# KiCad board Mynd_Main.kicad_pcb
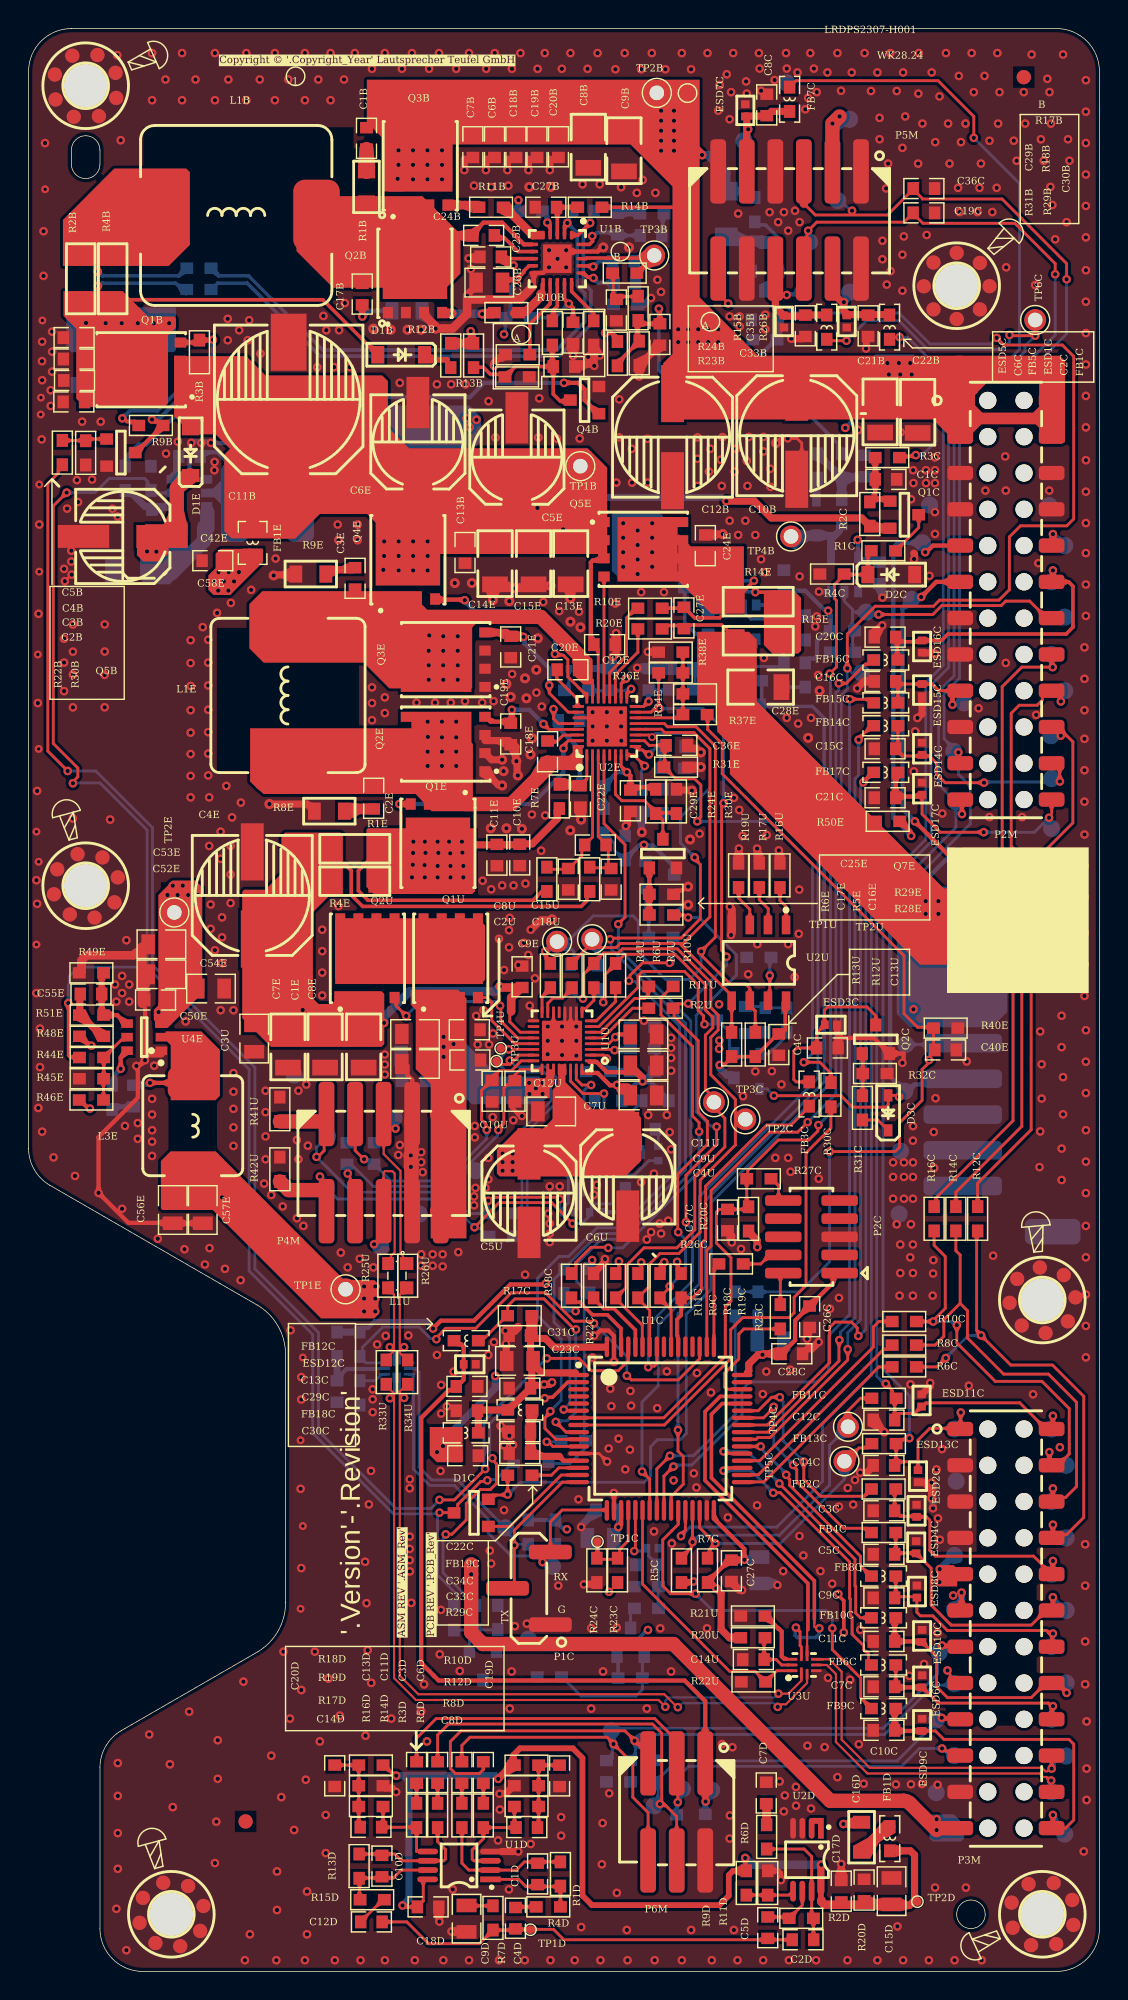
[diagram p0: board, top side]
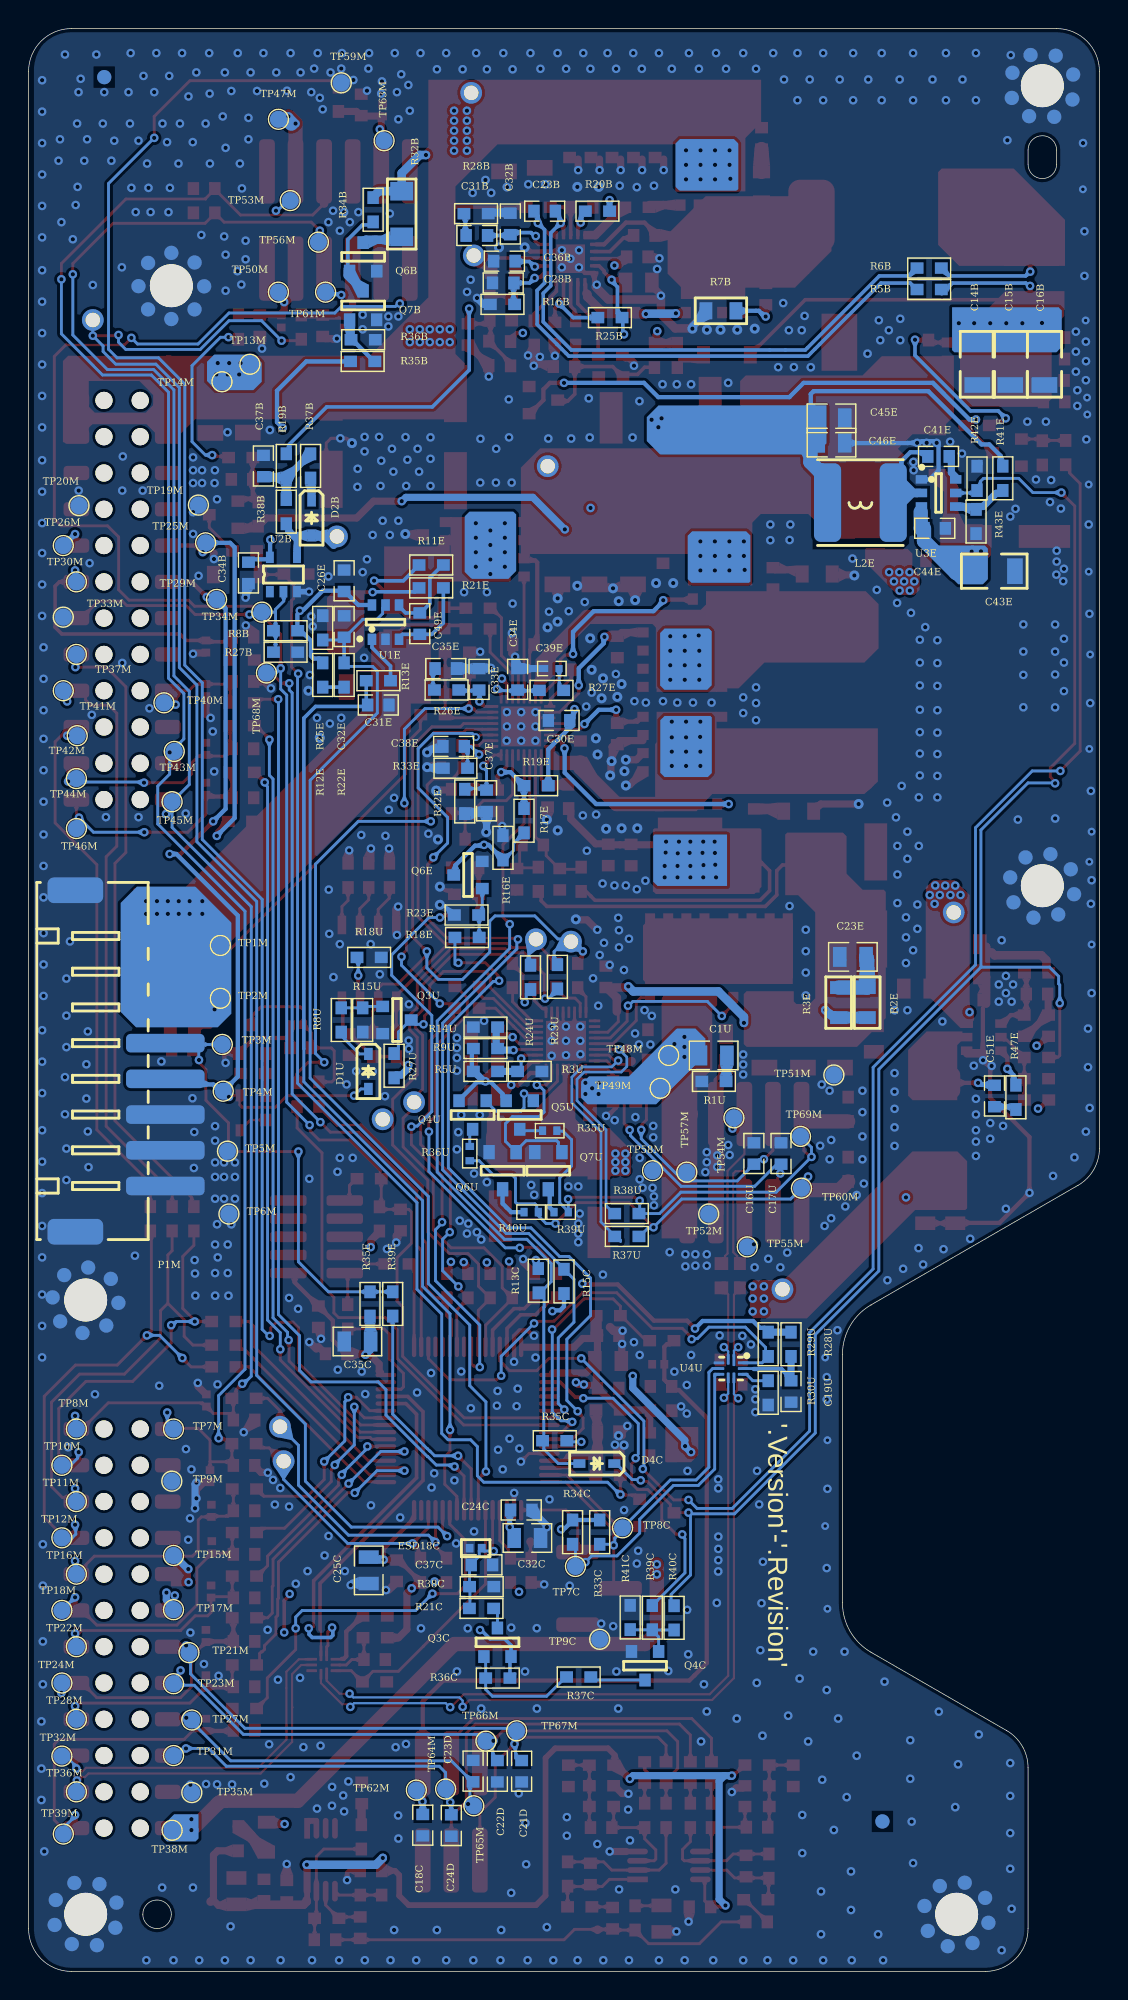
[diagram p1: board, bottom side, seen from below]

Outline 75 x 136 mm; copper layers: Component Side, Mid Layer 1 2 (plane), Mid Layer 2, Solder Side. Coordinates in mm from the lower left corner of the outline.
Outline path: 0,133 arc(0.88,135.12) 3,136 72,136 arc(74.12,135.12) 75,133 75,3 arc(74.12,0.88) 72,0 8,0 arc(5.88,0.88) 5,3 5,14.26 arc(5.4,15.76) 6.5,16.86 16,22.35 arc(17.46,23.81) 18,25.81 18,43.19 arc(17.46,45.19) 16,46.65 1.5,55.03 arc(0.4,56.12) 0,57.62 0,133 ; 3,127.5 arc(4,128.5) 5,127.5 5,126.5 arc(4,125.5) 3,126.5 3,127.5 ; 65,4 arc(65.29,4.71) 66,5 arc(66.71,4.71) 67,4 arc(66.71,3.29) 66,3 arc(65.29,3.29) 65,4

## Placement (name value [footprint] x y rotation side)
C1B  2.2nF  [C0603X100]  23.67 128.32 270 top
C1C  100nF  [C0603X100]  60.04 104.44 0 top
C1D  47pF  [C0603X80]  35.65 6.82 90 top
C1E  22uF  [C1206]  20.77 64.72 270 top
C1U  4.7uF  [C0805_145]  27.02 64.12 180 bottom
C2B  1nF  [C0603X100]  3.17 109.87 0 top
C2C  33pF  [C0603X80]  58.8 115.2 270 top
C2D  4.7uF  [C0603X100]  54.24 2.22 180 top
C2E  NC  [C0603X80]  24.17 82.12 90 top
C2U  1uF  [C0805_145]  27.07 63.52 180 top
C3B  10nF  [C0603X100]  3.21 111.37 0 top
C3C  33pF  [C0603X80]  59.91 32.25 180 top
C3D  100nF  [C0603X100]  30.35 13.92 90 top
C3E  NC  [C0603X80]  22.87 97.52 270 top
C3U  1uF  [C0805_145]  15.8 65.3 270 top
C4B  100nF  [C0603X100]  3.2 112.87 180 top
C4C  33pF  [C0603X80]  55.94 64.64 0 top
C4D  470nF  [C0603X100]  34.1 3.72 90 top
C4E  220uF  [ECAP_SMD_800X1000]  15.67 75.32 90 top
C4U  10uF  [C0805_145]  43.07 61.32 180 top
C5B  100nF  [C0603X100]  3.19 114.37 180 top
C5C  33pF  [C0603X80]  59.91 29.2 180 top
C5D  150nF  [C0603X100]  51.77 3.07 270 top
C5E  47uF  [ECAP_SMD_630X540]  34.2 106 90 top
C5U  100uF  [ECAP_SMD_630X540]  35.05 54.48 270 top
C6B  100nF  [C0603X100]  32.63 127.72 90 top
C6C  33pF  [C0603X80]  54.4 115.2 270 top
C6D  100nF  [C0603X100]  31.85 13.92 90 top
C6E  47uF  [ECAP_SMD_630X540]  27.27 107.07 90 top
C6U  100uF  [ECAP_SMD_630X540]  41.97 55.62 270 top
C7B  100nF  [C0603X100]  31.12 127.72 90 top
C7C  33pF  [C0603X80]  59.91 19.93 180 top
C7D  10nF  [C0603X100]  51.67 12.49 90 top
C7E  22uF  [C1206]  18.17 64.72 90 top
C7U  10uF  [C0805_145]  36.6 60.2 0 top
C8B  10uF  [C1206]  39.2 127.7 90 top
C8C  33pF  [C0603X80]  51.7 130.65 90 top
C8D  47pF  [C0603X80]  34.9 10.07 180 top
C8E  22uF  [C1206]  23.47 64.72 90 top
C8U  2.2uF  [C0805_145]  27.07 65.62 180 top
C9B  10uF  [C1206]  41.7 127.45 90 top
C9C  33pF  [C0603X80]  59.91 26.15 180 top
C9D  10uF  [C0805_145]  30.67 3.7 270 top
C9E  100nF  [C0603X100]  34.57 69.62 90 top
C9U  10uF  [C0805_145]  43.07 63.42 180 top
C10B  220uF  [ECAP_SMD_800X1000]  53.8 107.5 270 top
C10C  33pF  [C0603X80]  59.91 16.88 180 top
C10D  47pF  [C0603X80]  24.75 7.37 90 top
C10E  10nF  [C0603X100]  34.4 78.15 90 top
C10U  330pF  [C0603X80]  32.47 61.62 270 top
C11B  330uF  [E_CAP_SMD_10%2A10.2]  18.22 110.04 90 top
C11C  33pF  [C0603X80]  59.91 23.1 180 top
C11D  100nF  [C0603X100]  28.65 13.92 90 top
C11E  1nF  [C0603X100]  32.8 78.15 270 top
C11U  10uF  [C0805_145]  43.06 65.59 180 top
C12B  220uF  [ECAP_SMD_800X1000]  45.1 107.4 270 top
C12C  33pF  [C0603X80]  59.91 38.6 180 top
C12D  470nF  [C0603X100]  24.02 3.47 180 top
C12E  100nF  [C0603X100]  40.35 92.88 180 top
C12U  330pF  [C0603X80]  34.07 61.62 270 top
C13B  100nF  [C0603X100]  30.57 99.32 90 top
C13C  33pF  [C0603X80]  30.7 40.95 0 top
C13D  100nF  [C0603X100]  27.17 13.92 90 top
C13E  22uF  [C1206]  37.97 98.54 90 top
C13U  100nF  [C0603X100]  52.55 64.89 270 top
C14B  22uF  [C1206]  8.55 112.5 90 bottom
C14C  33pF  [C0603X80]  59.91 35.42 180 top
C14D  47pF  [C0603X80]  23.98 10.1 0 top
C14E  22uF  [C1206]  32.67 98.54 90 top
C14U  100nF  [C0603X100]  50.77 21.83 180 top
C15B  22uF  [C1206]  6.25 112.5 90 bottom
C15C  33pF  [C0603X80]  59.99 85.59 180 top
C15D  10uF  [C0805_145]  60.44 5.62 270 top
C15E  22uF  [C1206]  35.37 98.54 90 top
C15U  100nF  [C0603X105]  30.87 65.92 0 top
C16B  22uF  [C1206]  3.85 112.5 90 bottom
C16C  33pF  [C0603X80]  59.99 90.3 180 top
C16D  100nF  [C0603X100]  58.52 5.69 90 top
C16E  33nF  [C0603X100]  40.8 76.45 90 top
C16U  330pF  [C0603X80]  24.2 57.25 90 bottom
C17B  470pF  [C0603X80]  23.37 117.42 270 top
C17C  100nF  [C0603X100]  48.95 52.6 270 top
C17D  100nF  [C0603X100]  56.92 5.61 90 top
C17E  33nF  [C0603X100]  37.8 76.45 90 top
C17U  330pF  [C0603X80]  22.3 57.25 90 bottom
C18B  100nF  [C0603X100]  34.13 127.72 90 top
C18C  470pF  [C0603X80]  47.39 10.24 270 bottom
C18D  100nF  [C0603X100]  27.98 4.52 0 top
C18E  47nF  [C0603X100]  36.35 85.38 90 top
C18U  100nF  [C0603X105]  30.9 63.8 0 top
C19B  100nF  [C0603X100]  35.61 127.72 90 top
C19C  22pF  [C0603X80]  62.7 123.1 0 top
C19D  4.7uF  [C0603X105]  37.19 13.69 270 top
C19E  150pF  [C0603X80]  33.77 86.62 90 top
C19U  100nF  [C0603X100]  21.6 40.6 270 bottom
C20B  100nF  [C0603X100]  37.11 127.72 90 top
C20C  33pF  [C0603X80]  59.99 93.4 180 top
C20D  4.7uF  [C0603X105]  21.44 13.7 270 top
C20E  47nF  [C0603X100]  37.77 91.12 0 top
C21B  10uF  [C1206]  59.64 109.17 90 top
C21C  33pF  [C0603X80]  59.99 82.16 180 top
C21D  470pF  [C0603X80]  40.47 14.02 270 bottom
C21E  150pF  [C0603X80]  33.77 92.72 270 top
C22B  10uF  [C1206]  62.27 109.14 90 top
C22C  100nF  [C0603X100]  34.41 40.83 180 top
C22D  470pF  [C0603X80]  42.17 14.02 270 bottom
C22E  470nF  [C0603X100]  38.65 82.25 90 top
C23B  100pF  [C0603X80]  38.86 123.22 180 bottom
C23C  10uF  [C0805_145]  34.41 42.73 180 top
C23D  470pF  [C0603X80]  43.87 14.02 90 bottom
C23E  1uF  [C0805_145]  17.27 71.02 0 bottom
C24B  100nF  [C0603X100]  31.87 121.52 0 top
C24C  100nF  [C0603X100]  40.5 32.3 180 bottom
C24D  470pF  [C0603X80]  45.39 10.22 270 bottom
C24E  100nF  [C0603X100]  47.4 99.8 90 top
C25B  1uF  [C0603X105]  32.37 120.02 180 top
C25C  10uF  [C0805_145]  51.17 28.08 270 bottom
C25E  NC  [C0603X100]  39.7 78.85 180 top
C26B  4.7uF  [C0805_145]  32.27 118.22 180 top
C26C  100nF  [C0603X100]  54.7 45.84 270 top
C26E  100nF  [C0603X100]  52.9 97.35 270 bottom
C27B  100nF  [C0603X100]  36.23 123.49 180 top
C27C  100nF  [C0603X100]  49.23 28.05 270 top
C27E  100nF  [C0603X100]  45.9 94.75 270 top
C28B  470pF  [C0603X80]  41.75 118.19 0 bottom
C28C  100nF  [C0603X100]  53.45 43.24 0 top
C28E  22uF  [C1206]  51.28 89.9 0 top
C29B  6.8nF  [C0603X100]  41.17 116.3 270 top
C29C  100nF  [C0603X100]  30.7 39.25 180 top
C29E  1uF  [C0603X105]  42.15 81.95 270 top
C30B  10nF  [C0603X100]  44.22 114.59 270 top
C30C  100nF  [C0603X100]  30.75 36.1 0 top
C30E  2.2uF  [C0603X105]  37.84 87.57 0 bottom
C31B  6.8nF  [C0603X100]  43.61 121.52 180 bottom
C31C  100nF  [C0603X100]  34.41 44.51 180 top
C31E  470nF  [C0603X100]  50.5 88.65 0 bottom
C32B  47pF  [C0603X80]  41.26 122.32 90 bottom
C32C  10uF  [C0805_145]  40.06 30.34 180 bottom
C32E  100pF  [C0603X80]  52.9 94.15 270 bottom
C33B  100pF  [C0603X80]  37.49 112.34 0 top
C33C  100nF  [C0603X100]  34.41 36.26 180 top
C33E  33pF  [C0603X80]  43.45 90.45 270 bottom
C34B  100nF  [C0603X100]  59.6 97.89 90 bottom
C34C  1uF  [C0603X105]  34.41 37.78 180 top
C34E  15pF  [C0603X80]  40.75 90.45 270 bottom
C35B  6.8nF  [C0603X100]  38.13 114.69 270 top
C35C  10uF  [C0805_145]  51.97 44.09 180 bottom
C35E  1.8nF  [C0603X100]  45.78 91.2 0 bottom
C36B  330nF  [C0603X105]  41.67 119.72 0 bottom
C36C  22pF  [C0603X80]  62.7 124.8 0 top
C36E  100pF  [C0603X80]  45.4 85.83 0 top
C37B  1uF  [C0603X105]  58.55 105.38 270 bottom
C37C  1nF  [C0603X100]  43.25 28.46 180 bottom
C37E  100pF  [C0603X80]  42.93 81.95 270 bottom
C38E  100pF  [C0603X80]  45.23 85.75 0 bottom
C39E  1.2nF  [C0402]  38.35 91.2 0 bottom
C40E  100nF  [C0603X100]  64.23 64.5 180 top
C41E  100nF  [C0603X100]  11.27 106.05 0 bottom
C42E  47uF  [ECAP_SMD_630X540]  6.6 100.45 180 top
C43E  10uF  [C1206]  7.37 98.02 180 bottom
C44E  100nF  [C0603X100]  11.54 101.02 180 bottom
C45E  22uF  [C0805_145]  18.77 108.72 180 bottom
C46E  22uF  [C0805_145]  18.77 107.02 180 bottom
C49E  1uF  [C0603X105]  47.6 94.35 270 bottom
C50E  100nF  [C0603X100]  8.9 68 180 top
C51E  100nF  [C0603X100]  7.35 61.28 270 bottom
C52E  2.2uF  [C0805_145]  9.3 69.8 180 top
C53E  2.2uF  [C0805_145]  9.3 71.9 180 top
C54E  2.2uF  [C0805_145]  12.78 68.8 0 top
C55E  NC  [C0603X80]  4.37 68.42 0 top
C56E  22uF  [C0805_145]  10.1 53.3 270 top
C57E  22uF  [C0805_145]  12.2 53.3 270 top
C58E  1nF  [C0603X105]  12.91 98.75 180 top
D1B  B5819W  [SOD-123]  26.09 113.17 180 top
D1C  BAT54C  [SOT23-123]  31.2 32.1 90 top
D1E  B5819W  [SOD-123]  11.35 106.35 90 top
D1U  BAT54WS  [SOD-323]  51.2 63 270 bottom
D2B  BAT54WS  [SOD-323]  55.18 101.74 270 bottom
D2C  BZT52C3V3  [SOD-123]  60.42 97.78 0 top
D3C  BAT54WS  [SOD-323]  60.2 60.1 90 top
D4C  BAT54WS  [SOD-323]  35.2 35.55 0 bottom
ESD1C  BDFN2C121V  [DFN2_100X60X50_65]  57.3 115.5 270 top
ESD2C  AU3321P1  [DFN2_100X60X50_65]  62.19 32.24 270 top
ESD3C  AU3321P1  [DFN2_100X60X50_65]  56.19 66.27 180 top
ESD4C  AU3321P1  [DFN2_100X60X50_65]  62.17 29.69 270 top
ESD5C  AU3321P1  [DFN2_100X60X50_65]  52.9 115.5 90 top
ESD6C  AU3321P1  [DFN2_100X60X50_65]  62.58 20.31 270 top
ESD7C  AU3321P1  [DFN2_100X60X50_65]  50.2 130.27 270 top
ESD8C  AU3321P1  [DFN2_100X60X50_65]  62.22 26.59 270 top
ESD9C  AU3321P1  [DFN2_100X60X50_65]  62.58 17.26 270 top
ESD10C  AU3321P1  [DFN2_100X60X50_65]  62.58 23.48 270 top
ESD11C  AU3321P1  [DFN2_100X60X50_65]  62.54 39.97 270 top
ESD12C  AU3321P1  [DFN2_100X60X50_65]  30.9 42.5 180 top
ESD13C  AU3321P1  [DFN2_100X60X50_65]  62.29 34.67 90 top
ESD14C  AU3321P1  [DFN2_100X60X50_65]  62.58 85.59 270 top
ESD15C  AU3321P1  [DFN2_100X60X50_65]  62.58 89.69 90 top
ESD16C  AU3321P1  [DFN2_100X60X50_65]  62.58 92.74 90 top
ESD17C  AU3321P1  [DFN2_100X60X50_65]  62.58 82.79 270 top
ESD18C  AU3321P1  [DFN2_100X60X50_65]  43.69 29.63 180 bottom
FB1C  600R  [L0603]  60.3 115.1 90 top
FB1D  600R  [L0603]  60.32 9.29 270 top
FB1E  120R  [L0805]  15.69 100 270 top
FB2C  33R  [R0603]  59.88 33.77 0 top
FB3C  600R  [L0603]  54.67 61.42 90 top
FB4C  33R  [R0603]  59.88 30.72 0 top
FB5C  600R  [L0603]  55.9 115.1 90 top
FB6C  600R  [L0603]  59.88 21.45 0 top
FB7C  600R  [L0603]  53.3 131.05 270 top
FB8C  600R  [L0603]  59.88 27.67 0 top
FB9C  600R  [L0603]  59.88 18.4 0 top
FB10C  600R  [L0603]  59.88 24.75 0 top
FB11C  33R  [R0603]  59.91 40.12 0 top
FB12C  600R  [L0603]  30.65 44.15 180 top
FB13C  33R  [R0603]  59.91 36.94 0 top
FB14C  600R  [L0603]  60.04 87.2 0 top
FB15C  600R  [L0603]  60.04 88.8 0 top
FB16C  600R  [L0603]  60.04 91.8 0 top
FB17C  600R  [L0603]  60.04 83.94 0 top
FB18C  600R  [L0603]  30.65 37.7 0 top
FB19C  600R  [L0603]  34.41 39.3 180 top
L1B  4.7uH  [IND_SMD_YT_SQU_L135XW126XH57]  14.54 122.92 0 top
L1E  2.2uH  [IND_SMD_YT_SQU_L118XW108XH40_A]  18.17 89.32 90 top
L1U  NC  [CET2012D]  25.8 48.7 270 top
L2E  3.3uH  [IND_SMD_SQU_L60XW60XH20]  16.74 102.82 0 bottom
L3E  10uH  [IND_SMD_YT_SQU_L78XW70XH30]  11.5 59.2 270 top
MH1M  SCREW_HOLE_D30  [SCREW_D30]  4 132 339 top
MH2M  SCREW_HOLE_D30  [SCREW_D30]  65 118 0 top
MH3M  SCREW_HOLE_D30  [SCREW_D30]  10 4 60 top
MH4M  SCREW_HOLE_D30  [SCREW_D30]  71 4 160 top
MH5M  SCREW_HOLE_D30  [SCREW_D30]  71 47 50 top
MH6M  SCREW_HOLE_D30  [SCREW_D30]  4 76 60 top
MK1M  -  [MARK]  15.2 10.5 90 top
MK2M  -  [MARK]  69.7 132.6 90 top
P1C  3P PITCH=2.54mm  [Pin_Header_SMD_S_T_254_3P]  35.04 26.82 90 top
P1M  WT250MW-084R-0W  [CON_250_SMD_H_8P]  70.17 63.73 90 bottom
P2C  1.27PH 2X5P H2.0 SMT  [Pin_Header_2x5_127]  54.83 51.42 180 top
P2M  2.54FH 2x12Pin H3.55 SMT  [Female_SMD_Bottom_2X12_254#2]  68.45 96 270 top
P3M  2.54FH 2x12Pin H3.55 SMT  [Female_SMD_Bottom_2X12_254]  68.45 24 270 top
P4M  WB200AL-10  [WB200AL_2x5P]  24.87 56.62 180 top
P5M  WB200AL-12  [WB200AL_2x6P]  53.3 122.6 180 top
P6M  WB200AL-06  [WB200AL_2x3P]  45.39 11.17 180 top
Q1B  JMTG080P03A  [DFN8_500X600X100_127_A#3]  7.89 112.12 180 top
Q1C  CJ3401  [SOT23-GSD#2]  61.34 101.97 270 top
Q1E  AP4024GEMT-HF  [DFN8_500X600X100_127_A#2]  28.67 78.97 270 top
Q1U  AP4024GEMT-HF  [DFN8_500X600X100_127_A]  29.57 70.92 90 top
Q2B  JMTG60N04B  [DFN8_500X600X100_127_A]  27.06 118.87 90 top
Q2C  2N7002K  [SOT23-GSD]  59.34 65.25 0 top
Q2E  AP4024GEMT-HF  [DFN8_500X600X100_127_A]  29.22 85.92 180 top
Q2U  AP4024GEMT-HF  [DFN8_500X600X100_127_A]  23.73 70.92 90 top
Q3B  JMTG60N04B  [DFN8_500X600X100_127_A]  27.43 126.39 90 top
Q3C  CJ3401  [SOT23-GSD#2]  42.16 23.04 180 bottom
Q3E  AP4024GEMT-HF  [DFN8_500X600X100_127_A]  29.22 91.82 180 top
Q3U  2N7002K  [SOT23-GSD#2]  49.2 66.6 270 bottom
Q4B  2N7002K  [SOT23-GSD#2]  38.94 109.99 90 top
Q4C  2N7002K  [SOT23-GSD#2]  31.82 21.4 0 bottom
Q4E  AP4024GEMT-HF  [DFN8_500X600X100_127_A]  26.57 98.82 90 top
Q4U  CJ3401  [SOT23-GSD#2]  43.9 59.95 0 bottom
Q5B  2N7002K  [SOT23-GSD#2]  6.47 106.32 270 top
Q5E  SSC8039GN6  [DFN8_500X600X100_127_A#2]  43.05 99.55 0 top
Q5U  CJ3401  [SOT23-GSD#2]  40.6 59.95 0 bottom
Q6B  2N7002K  [SOT23-GSD#2]  51.57 120.02 180 bottom
Q6E  2N7002K  [SOT23-GSD#2]  44.23 76.75 90 bottom
Q6U  AO3402  [SOT23_16_GSD]  41.8 56.05 0 bottom
Q7B  2N7002K  [SOT23-GSD#2]  51.57 116.62 180 bottom
Q7E  2N7002K  [SOT23-GSD#2]  44.43 78.25 0 top
Q7U  AO3402  [SOT23_16_GSD]  38.6 56.05 0 bottom
R1B  2.0R  [R0805]  23.67 124.92 90 top
R1C  10k  [R0603]  59.87 99.44 0 top
R1D  10k  [R0603]  37.25 6.82 270 top
R1E  0.02R  [R1206]  22.85 78.58 0 top
R1U  3.3R  [R0603#2]  27 62.3 180 bottom
R2B  0.005R  [R1206]  3.65 118.48 90 top
R2C  330k  [R0603]  58.92 102.02 270 top
R2D  680k  [R0603]  54.12 3.72 0 top
R2E  3.9R  [R0805]  16.27 67.82 90 bottom
R2U  0R  [R0603]  44.29 67.43 180 top
R3B  470k  [R0603]  11.97 113.34 90 top
R3C  1k  [R0603#3]  60.14 105.97 0 top
R3D  10k  [R0603]  30.35 10.92 270 top
R3E  3.9R  [R0805]  18.27 67.82 90 bottom
R3U  0R  [R0603#2]  39.9 63 180 bottom
R4B  0.005R  [R1206]  5.89 118.48 90 top
R4C  8.2k  [R0603]  56.27 97.82 0 top
R4D  15R  [R0603#2]  36.4 4.52 0 top
R4E  0.02R  [R1206]  22.85 76.32 0 top
R4U  0R  [R0603]  36.54 69.71 270 top
R5B  0R  [R0603]  11.93 117.73 0 bottom
R5C  1.2k  [R0603]  45.73 28.08 90 top
R5D  10k  [R0603]  31.85 10.92 270 top
R5E  5.1R  [R0603]  39.3 76.45 90 top
R5U  13k  [R0603]  43 63 180 bottom
R6B  0R  [R0603]  11.93 119.23 0 bottom
R6C  NC  [R0603]  61.33 42.32 0 top
R6D  560R  [R0603]  51.69 9.42 90 top
R6E  5.1R  [R0603]  36.3 76.45 90 top
R6U  0R  [R0603]  38.07 69.71 270 top
R7B  8.2R  [R0805]  26.51 116.24 180 bottom
R7C  1.2k  [R0603]  47.55 28.08 90 top
R7D  1.5k  [R0603]  32.53 3.75 90 top
R7E  1R  [R0603]  37.17 82.25 90 top
R7U  0R  [R0603]  39.59 69.71 270 top
R8B  330k  [R0603]  57 93.85 0 bottom
R8C  NC  [R0603]  61.33 43.84 0 top
R8D  10k  [R0603]  34.88 11.55 180 top
R8E  NC  [R0805]  21.07 81.22 180 top
R8U  10k  [R0603]  53.1 66.6 90 bottom
R9B  22k  [R0603]  8.57 108.22 0 top
R9C  NC  [R0603]  42.68 48 270 top
R9D  100k  [R0603]  50.27 6.19 270 top
R9E  NC  [R0805]  19.77 97.82 180 top
R9U  13k  [R0603]  43 64.6 180 bottom
R10B  0R  [R0603]  33.47 116.12 180 top
R10C  NC  [R0603]  61.33 45.49 0 top
R10D  33k  [R0603]  34.87 14.44 0 top
R10E  10R  [R0603#2]  43.53 95.43 0 top
R10U  0R  [R0603]  41.12 69.71 270 top
R11B  0R  [R0603]  32.39 123.49 180 top
R11C  NC  [R0603]  41.13 48 270 top
R11D  100k  [R0603]  51.77 6.19 270 top
R11E  10R  [R0603]  46.8 98.45 180 bottom
R11U  0R  [R0603]  44.29 68.95 0 top
R12B  3.3R  [R0603]  29.57 113.12 270 top
R12C  0R  [R0603]  66.47 52.69 90 top
R12D  33k  [R0603]  34.88 13 180 top
R12E  68k  [R0603]  54.4 90.75 90 bottom
R12U  2.2k  [R0603]  50.89 64.89 270 top
R13B  39k  [R0603]  31.17 113.12 270 top
R13C  10k  [R0603]  39.3 48.35 270 bottom
R13D  10k  [R0603]  23.15 7.37 270 top
R13E  10k  [R0603]  50.5 90.35 180 bottom
R13U  2.2k  [R0603]  49.24 64.89 270 top
R14B  0R  [R0603]  39.31 123.49 180 top
R14C  0R  [R0603]  64.95 52.69 90 top
R14D  10k  [R0603]  28.65 10.92 270 top
R14E  0.005R  [R1206]  51.1 95.88 180 top
R14U  0R  [R0603]  43 66.1 0 bottom
R15B  1k  [R0603]  36.68 114.69 90 top
R15C  10k  [R0603]  37.5 48.3 90 bottom
R15D  15R  [R0603]  24.07 5.02 180 top
R15E  0.005R  [R1206]  51.1 93.15 0 top
R15U  4.7M  [R0603]  51.6 66.6 270 bottom
R16B  82k  [R0603]  41.81 116.69 0 bottom
R16C  0R  [R0603]  63.42 52.69 90 top
R16D  10k  [R0603]  27.17 10.92 270 top
R16E  100k  [R0603]  41.78 78.65 90 bottom
R16U  10k  [R0603]  52.63 76.73 90 top
R17B  54.9k  [R0603]  41.75 118.88 0 top
R17C  10k  [R0603]  34.4 45.9 180 top
R17D  10k  [R0603]  23.98 11.55 0 top
R17E  120k  [R0603]  40.3 80.55 90 bottom
R17U  10k  [R0603]  51.18 76.73 90 top
R18B  13.3k  [R0603]  42.69 116.42 90 top
R18C  10k  [R0603]  44.23 48 270 top
R18D  33k  [R0603#2]  23.98 14.45 180 top
R18E  10k  [R0603]  44.29 72.38 180 bottom
R18U  10k  [R0603]  51.15 70.98 0 bottom
R19B  18.2k  [R0603]  56.95 105.38 90 bottom
R19C  470k  [R0603]  45.7 48 270 top
R19D  33k  [R0603]  23.98 13 180 top
R19E  10R  [R0603]  39.45 83 0 bottom
R19U  10k  [R0603]  49.73 76.73 90 top
R20B  100k  [R0603]  35.16 123.22 0 bottom
R20C  10k  [R0603]  50.43 52.68 270 top
R20D  2.2R  [R0805]  58.34 9.39 90 top
R20E  10R  [R0603#3]  43.53 93.98 180 top
R20U  100R  [R0603]  50.73 23.36 0 top
R21C  20k  [R0603]  43.28 25.41 180 bottom
R21E  10R  [R0603]  46.8 96.85 0 bottom
R21U  10k  [R0603]  50.73 24.88 0 top
R22B  10k  [R0603]  2.37 106.32 90 top
R22C  10k  [R0603]  39.58 48 270 top
R22E  1.2k  [R0603]  52.9 90.75 270 bottom
R22U  10k  [R0603]  50.77 20.27 0 top
R23B  33k  [R0603]  34.22 111.62 0 top
R23C  82k  [R0603]  41.25 28.08 90 top
R23E  330k  [R0603]  44.33 73.95 180 bottom
R23U  0R  [R0603]  37.96 69.62 90 bottom
R24B  1k  [R0603]  34.26 113.17 180 top
R24C  68k  [R0603]  39.8 28.08 90 top
R24E  100k  [R0603]  43.93 81.9 270 top
R24U  0R  [R0603]  39.85 69.58 90 bottom
R25B  1k  [R0603]  34.28 115.77 0 bottom
R25C  22R  [R0603]  52.65 45.83 90 top
R25E  16k  [R0603]  54.4 94.05 270 bottom
R25U  0R  [R0603#2]  25.17 48.7 270 top
R26B  49.9k  [R0603]  39.58 114.69 270 top
R26C  22R  [R0603]  49.2 49.53 0 top
R26E  40.2k  [R0603#2]  45.73 89.7 180 bottom
R26U  0R  [R0603#2]  26.55 48.7 270 top
R27B  NC  [R0603]  57 92.35 180 bottom
R27C  22R  [R0603]  51.15 55.49 0 top
R27E  10k  [R0603#3]  38.38 89.68 180 bottom
R27U  2.2k  [R0603]  49.4 63.4 270 bottom
R28B  54.9k  [R0603]  43.66 123.04 180 bottom
R28C  0R  [R0603]  38.03 48 90 top
R28E  10k  [R0603#2]  44.33 73.95 180 top
R28U  100R  [R0603]  21.6 43.9 270 bottom
R29B  7.5k  [R0603]  42.77 113.27 270 top
R29C  10k  [R0603#3]  34.41 34.73 180 top
R29E  330k  [R0603]  44.33 75.4 180 top
R29U  10k  [R0603]  23.2 43.9 270 bottom
R30B  330k  [R0603]  4 106.3 270 top
R30C  0R  [R0603#3]  56.19 61.37 270 top
R30E  220k  [R0603]  45.38 81.9 90 top
R30U  10k  [R0603]  23.2 40.5 90 bottom
R31B  82k  [R0603]  41.24 113.24 270 top
R31C  10k  [R0603]  58.4 60.45 90 top
R31E  30.1k  [R0603#3]  45.35 84.3 180 top
R32B  330R  [R1206]  48.87 123.02 90 bottom
R32C  4.7M  [R0603]  59.28 62.85 0 top
R32E  137k  [R0603]  44.45 81.9 90 bottom
R33C  10k  [R0603]  35 30.75 270 bottom
R33E  NC  [R0603]  45.1 84.23 180 bottom
R33U  0R  [R0603]  25.05 41.95 270 top
R34B  1M  [R0603]  50.87 123.32 90 bottom
R34C  10k  [R0603]  36.9 30.75 270 bottom
R34E  2M  [R0603#2]  46.68 89.43 180 top
R34U  0R  [R0603]  26.55 41.95 270 top
R35B  10k  [R0603#3]  51.6 112.7 180 bottom
R35C  33k  [R0603]  38.15 37.15 180 bottom
R35E  10k  [R0603]  51.09 46.72 270 bottom
R35U  249k  [R0402]  38.5 58.85 180 bottom
R36B  4.7M  [R0603]  51.57 114.22 180 bottom
R36C  1M  [R0603]  42.14 20.53 180 bottom
R36E  2M  [R0603]  44.98 90.9 180 top
R36U  249k  [R0402]  44.1 57.25 270 bottom
R37B  180R  [R0603]  55.25 105.38 270 bottom
R37C  10k  [R0603]  36.47 20.61 0 bottom
R37E  100k  [R0603#2]  46.68 87.98 180 top
R37U  0R  [R0603]  33.1 53.05 180 bottom
R38B  0R  [R0603]  56.95 102.18 270 bottom
R38C  10k  [R0603]  43.27 26.93 0 bottom
R38E  560k  [R0603]  44.98 92.35 180 top
R38U  0R  [R0603]  33.1 51.45 0 bottom
R39C  10k  [R0603]  31.31 24.76 270 bottom
R39E  100k  [R0603]  49.5 46.72 270 bottom
R39U  1M  [R0402]  37.7 53.15 0 bottom
R40C  10k  [R0603]  29.79 24.75 270 bottom
R40E  100k  [R0603]  64.23 66.03 180 top
R40U  1M  [R0402]  39.8 53.15 0 bottom
R41C  4.7M  [R0603]  32.86 24.78 90 bottom
R41E  33k  [R0603]  6.77 104.52 90 bottom
R41U  0R  [R0603]  17.6 60.35 270 top
R42E  100k  [R0603]  8.57 104.51 90 bottom
R42U  0R  [R0603]  17.6 56.15 270 top
R43E  10k  [R0603]  8.64 101.49 270 bottom
R44E  0R  [R0603]  4.41 63.98 0 top
R45E  100k  [R0603]  4.41 62.49 0 top
R46E  NC  [R0603#3]  4.4 61 0 top
R47E  10R  [R0603]  5.85 61.18 90 bottom
R48E  6.8k  [R0603]  4.41 65.46 0 top
R49E  13.3k  [R0603#2]  4.4 69.9 180 top
R50E  10k  [R0603]  60.17 80.51 0 top
R51E  100k  [R0603]  4.41 66.95 0 top
Teufel_ASM_Label1M  3.3  [Teufel_ASM_Rev]  -31.05 22.68 90 top
Teufel_Copyright1M  2023  [TEUFEL_COPYRIGHT]  -14.83 8.04 90 top
Teufel_PCB_Label1M  3.3  [Teufel_PCB_Rev]  -27.85 61.78 90 top
Teufel_PCB_Logo1M  T.3.0.0040-3.3  [Teufel_NoLogo]  23.4 24 90 top
TP1B  -  [TP_T_60_40]  38.64 105.37 0 top
TP1C  TP  [TP060]  39.85 30.09 270 top
TP1D  TP  [TP060]  35.15 2.92 180 top
TP1E  -  [TP_T_60_40]  22.2 47.75 90 top
TP1M  TP12  [TP120]  61.57 71.82 0 bottom
TP1U  -  [TP_T_60_40]  37.01 72.09 0 top
TP2B  -  [TP_T_60_40]  44 131.5 0 top
TP2C  -  [TP_T_60_40]  50.2 59.65 90 top
TP2D  TP  [TP060]  62.25 4.88 180 top
TP2E  -  [TP_T_60_40]  10.21 74.13 90 top
TP2M  TP12  [TP120]  61.57 68.12 0 bottom
TP2U  -  [TP_T_60_40]  39.46 72.25 0 top
TP3B  -  [TP_T_60_40]  43.82 120.12 0 top
TP3C  -  [TP_T_60_40]  48 60.85 90 top
TP3M  TP12  [TP120]  61.44 64.89 0 bottom
TP3U  TP06  [TP060]  32.77 63.72 90 top